# Altium PCB ControlBoard.PcbDoc (part 1 of 2)
Units mil, origin at the board's own origin, x right, y up, seen from the top; angles counter-clockwise.
Board outline 6000 x 3920 mil, 4 copper layers (Top Layer, Power Plane, Ground Plane, Bottom Layer), stack 30.634 mil thick; 203 components, 135 nets, 815 pads, 270 vias.
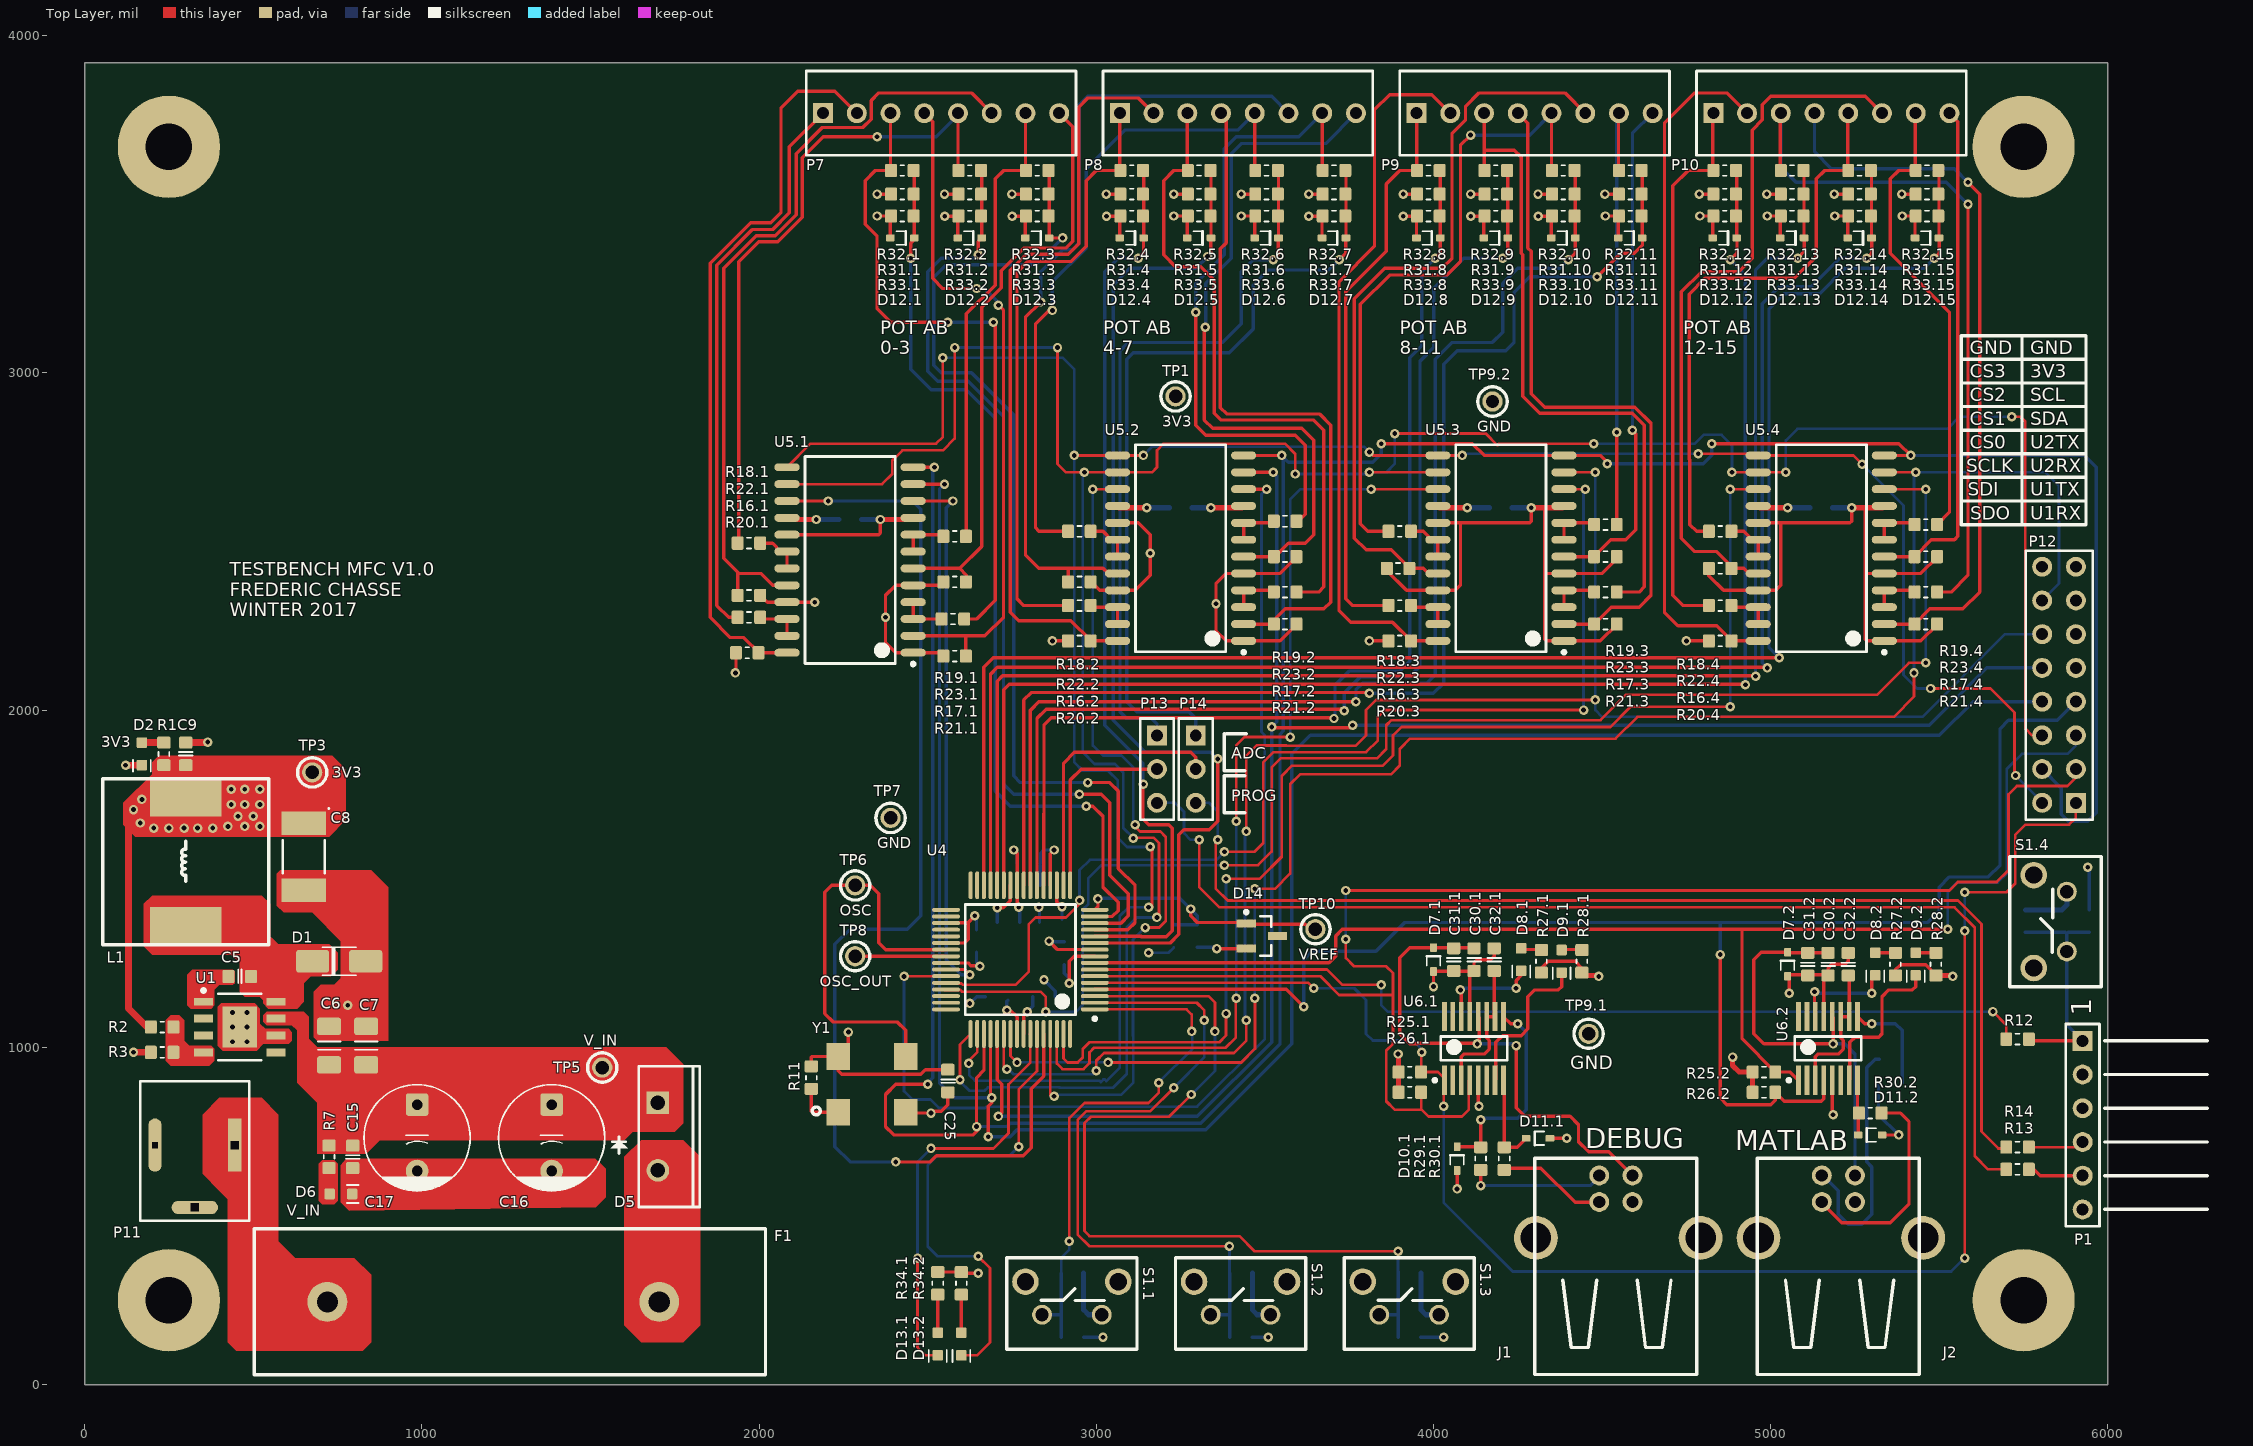
[diagram p0: Top Layer view]
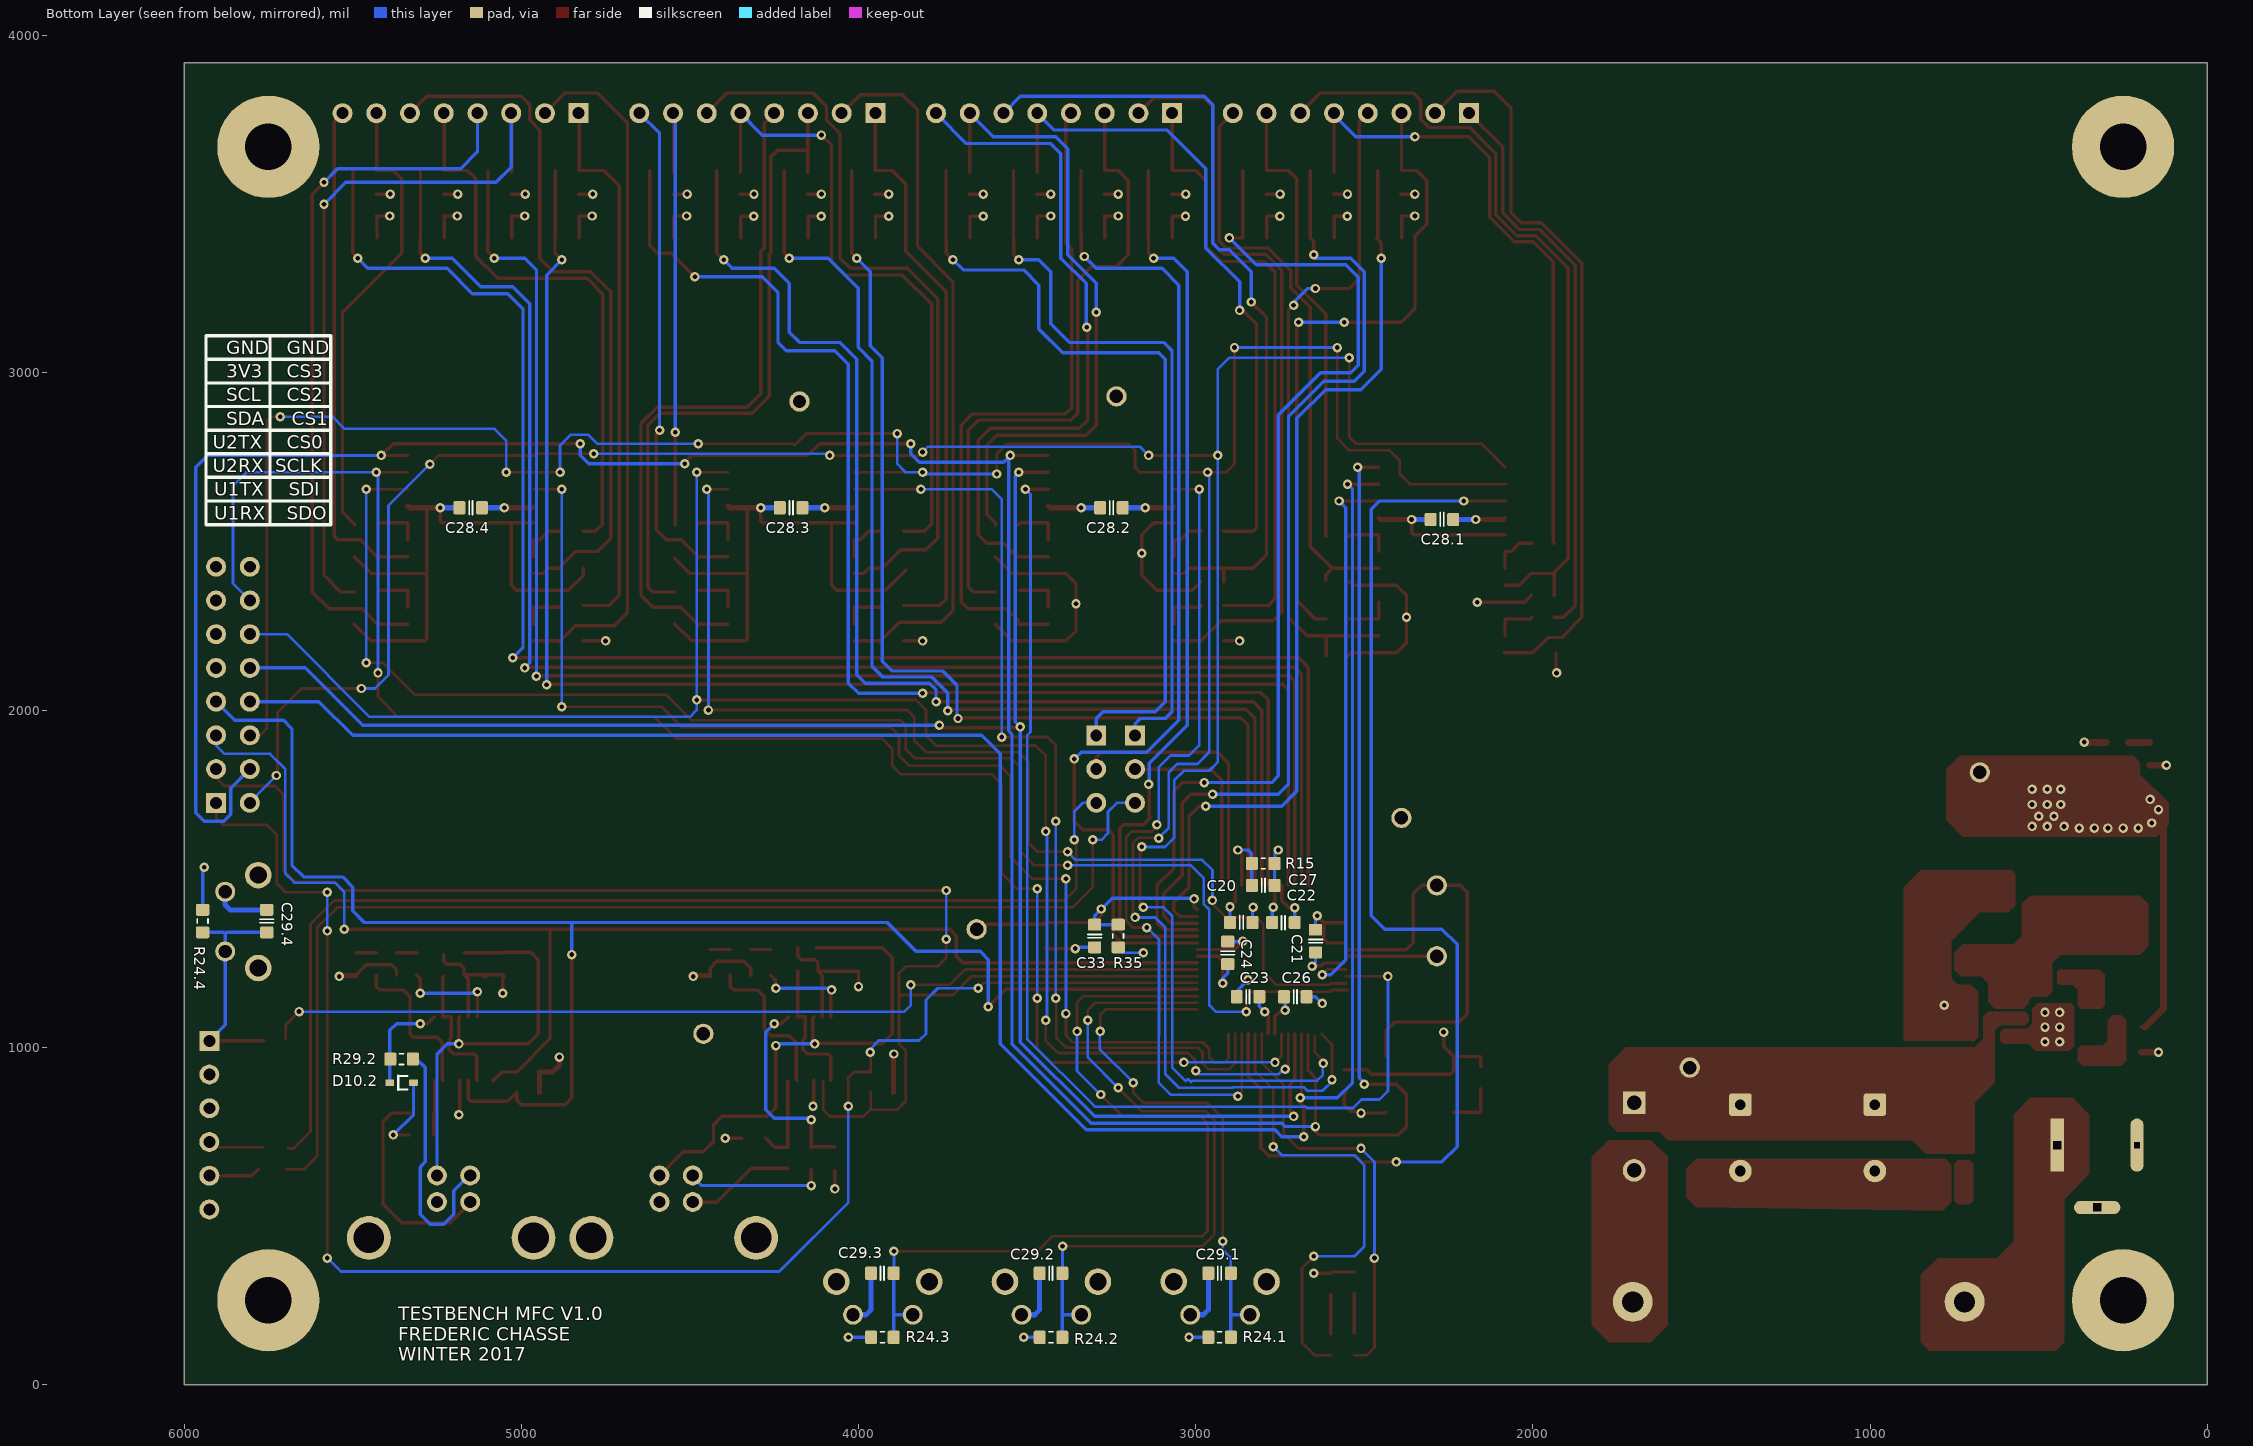
[diagram p1: Bottom Layer view, seen from below]
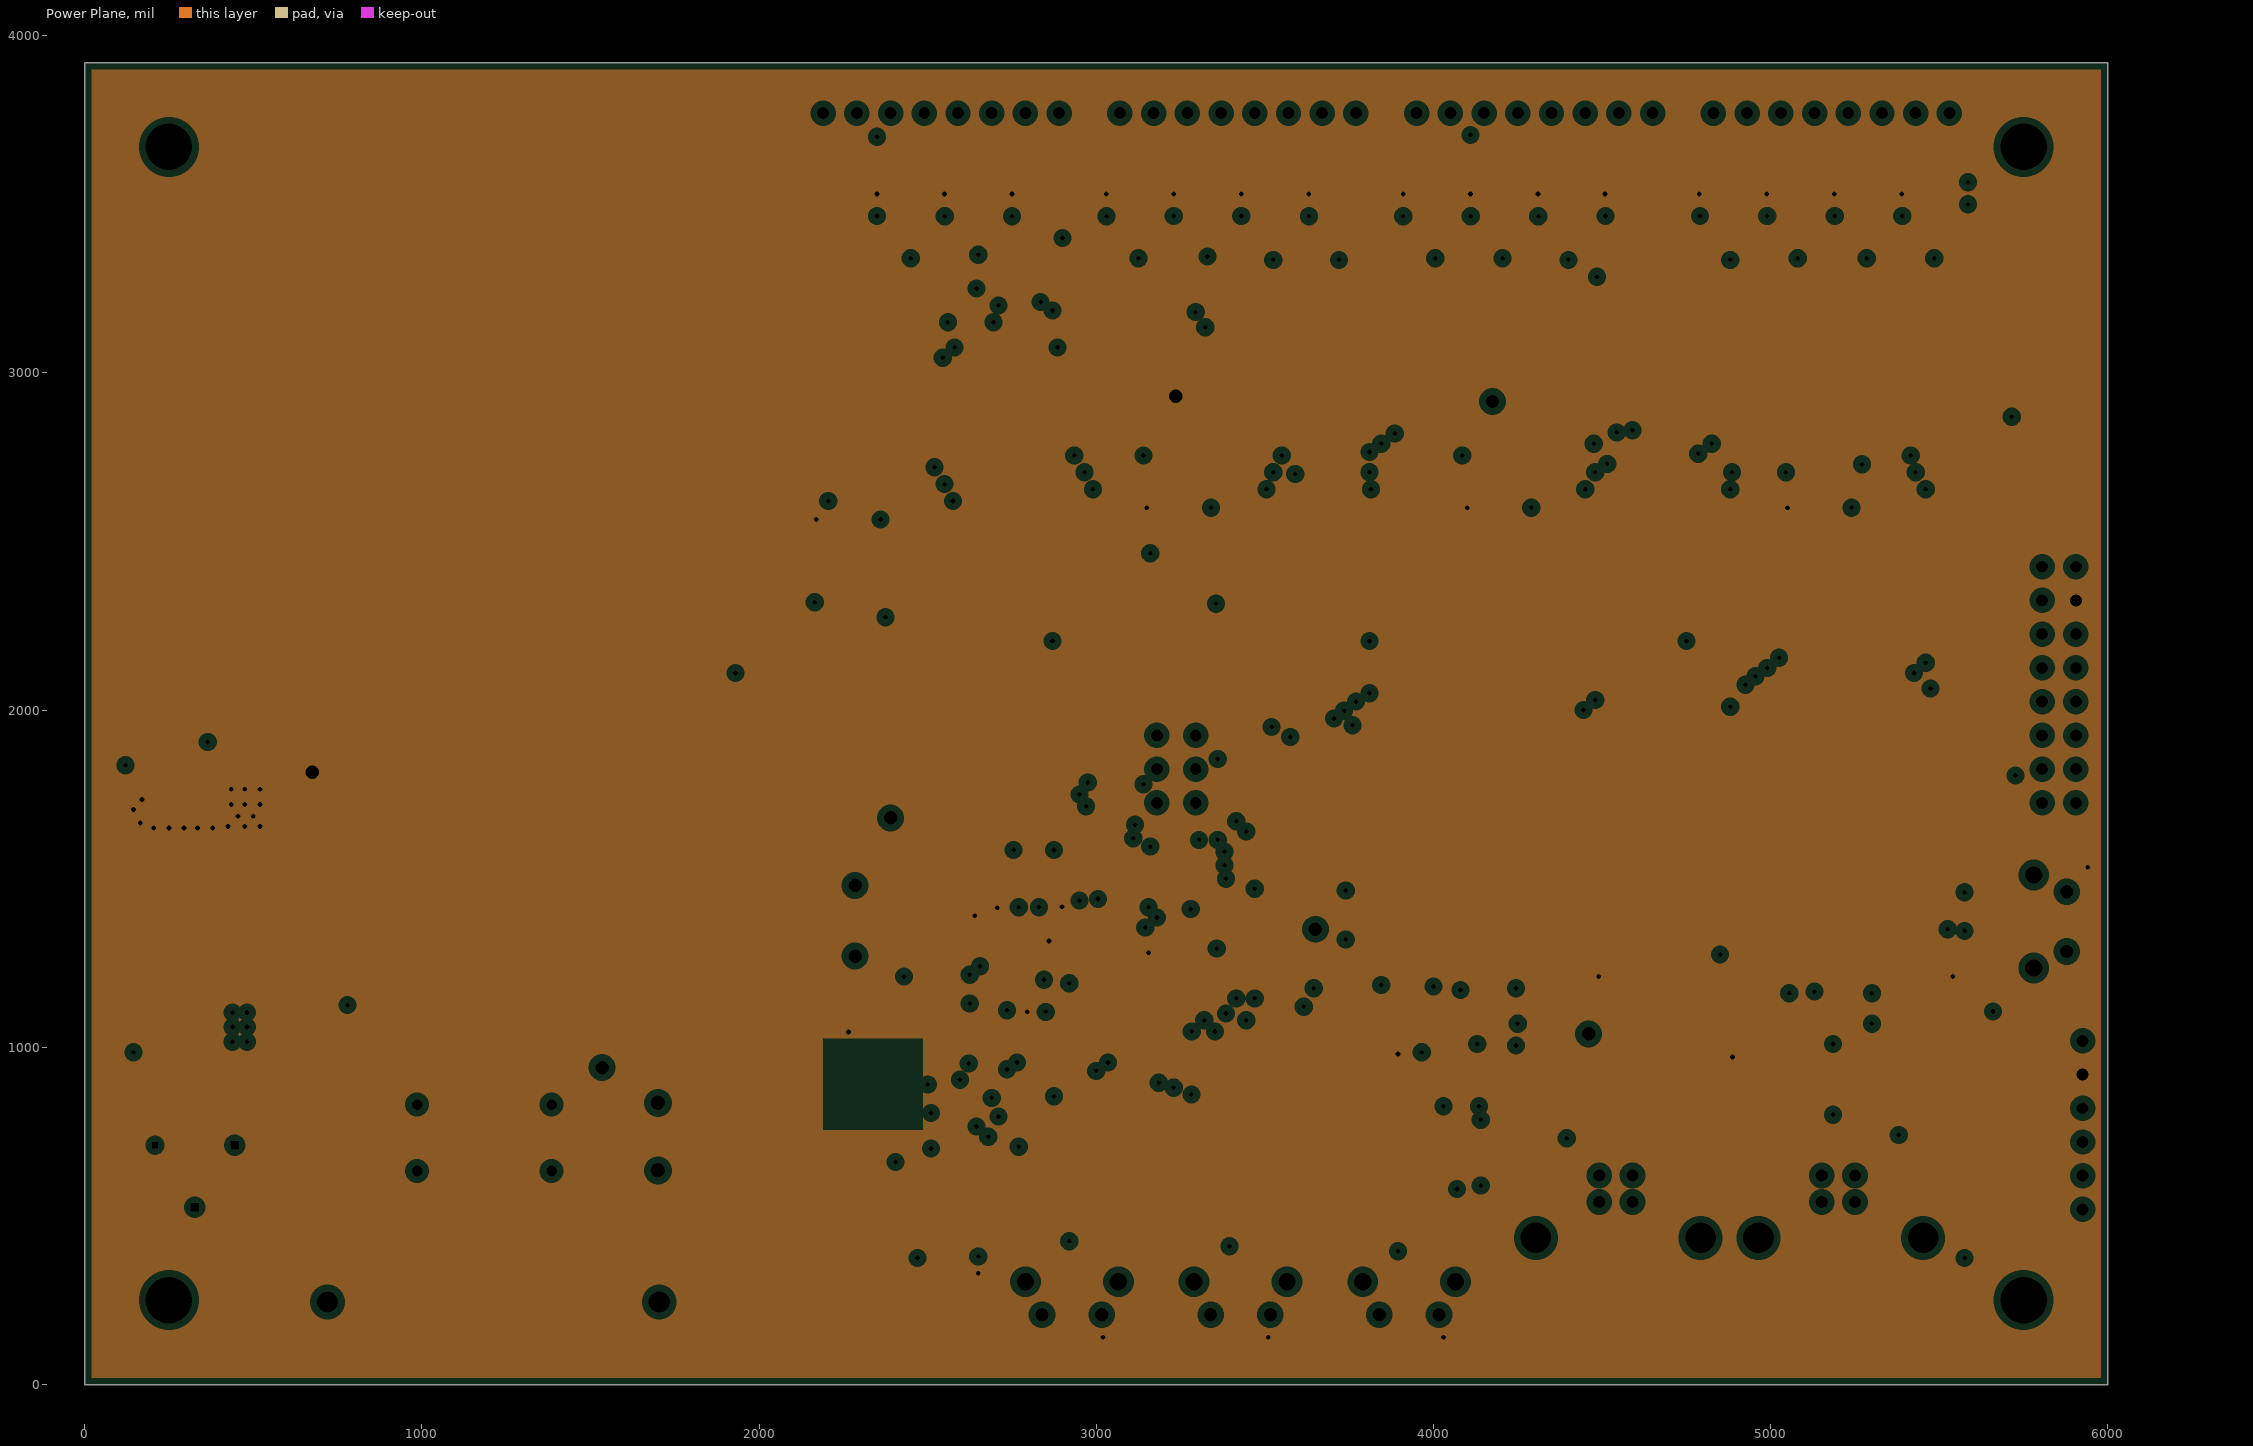
[diagram p2: Power Plane, clearances drawn from the general rule]